# Altium PCB PCB1.PcbDoc (part 2 of 2)
Units mm, origin at the board's own origin, x right, y up, seen from the top; angles counter-clockwise.
Board outline 115 x 100 mm, 4 copper layers (Top Layer, GROUND, POWER, Bottom Layer), stack 1.369 mm thick; 124 components, 82 nets, 440 pads, 134 vias.
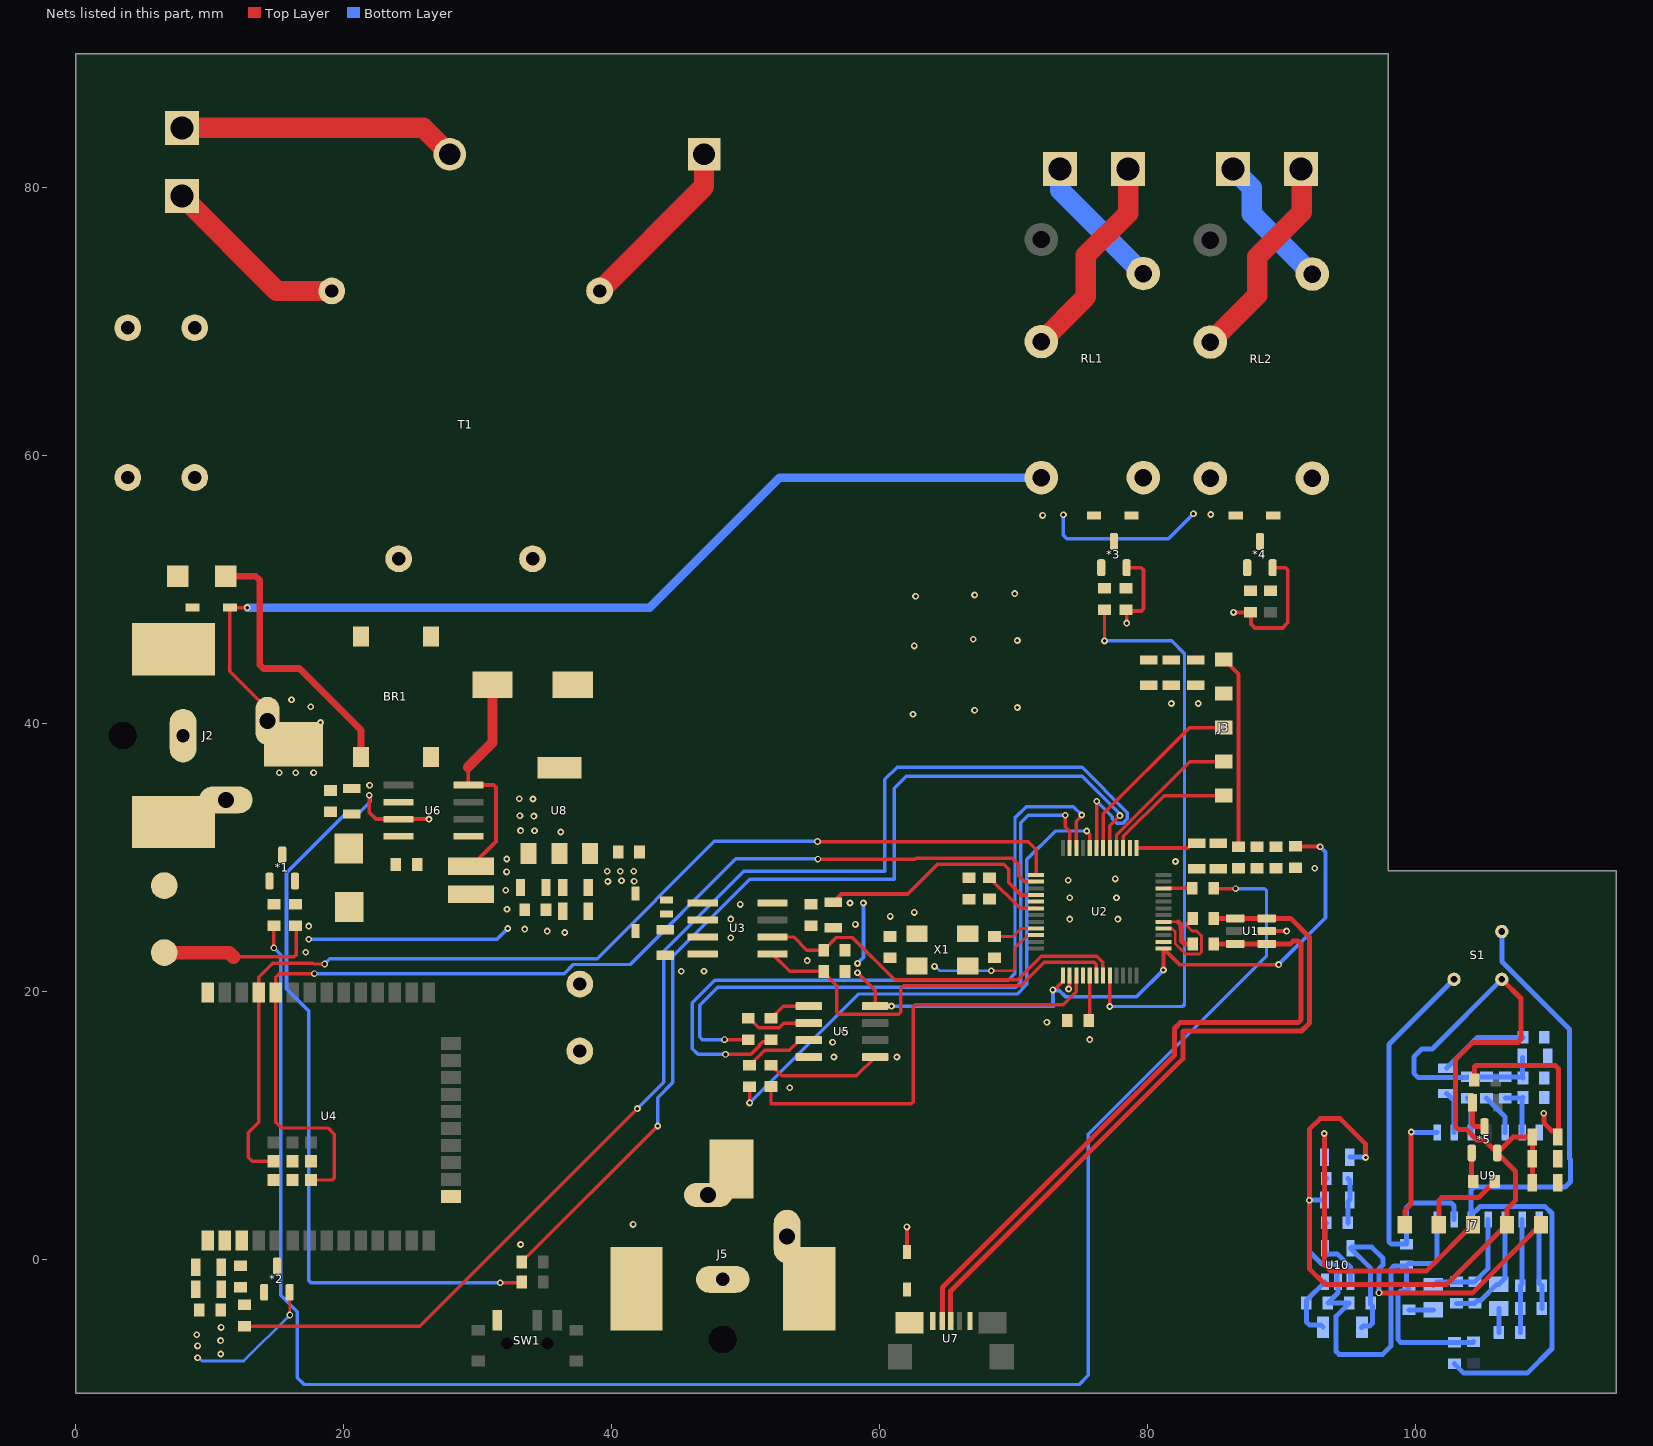
[diagram p4: the nets of this part, all layers, seen from the top]

## Part data (continued)
Y1: library part "CRYSTAL 32.7680KHZ 12.5PF SMD", "ABRACON - ABS05-32.768KHZ-T - Crystal, 32.768 kHz, SMD, 1.6mm x 1mm, 12.5 pF, 20 ppm, ABS05 Series", Case/Package=SMD/SMT, ESR (Equivalent Series Resistance)=90kR, Frequency=32.768kHz, Frequency Tolerance=20ppm, Load Capacitance=12.5pF, Manufacturer=Abracon, Max Operating Temperature=85°C, Min Operating Temperature=-40°C, Operating Frequency="32.768 kHz", Package Quantity=3000, Supplier Part Number 1=535-11899-2-ND, Category=Crystals, ComponentLink1Description=https://datasheet.ciiva.com/23810/abs05-23810480.pdf?src-supplier=Newark, ComponentLink1URL=https://datasheet.ciiva.com/23810/abs05-23810480.pdf?src-supplier=Newark, ComponentLink2Description=https://datasheet.ciiva.com/6728/abs05-6728949.pdf?src-supplier=Digi-Key, ComponentLink2URL=https://datasheet.ciiva.com/6728/abs05-6728949.pdf?src-supplier=Digi-Key, ComponentLink3Description=https://datasheet.ciiva.com/6728/abs05-6728950.pdf?src-supplier=Digi-Key, ComponentLink3URL=https://datasheet.ciiva.com/6728/abs05-6728950.pdf?src-supplier=Digi-Key, ComponentLink4Description=https://datasheet.ciiva.com/16411/abs05-16411149.pdf?src-supplier=Future+Electronics, ComponentLink4URL=https://datasheet.ciiva.com/16411/abs05-16411149.pdf?src-supplier=Future+Electronics, Depth=1mm, Height=0.02inch, Lead Free="Lead Free", Length=1.6mm, Manufacturer Part Number=ABS05-32.768KHZ-T, Mount="Surface Mount", Number of Pins=2, Packaging="Tape and Reel", Pricing 1="3000=0,91392 (USD)", Radiation Hardening=No, REACH SVHC="No SVHC", RoHS=Yes, RoHS Compliant=Yes, Series=ABS05, Series Resistance=90kR, Stock 1=461325, Supplier 1=Digi-Key, Termination=SMD/SMT, Tolerance=20ppm, Width=0.039inch

## Via types
v1: diameter 0.508, hole 0.254, Top Layer to Bottom Layer, 114 vias
v2: diameter 0.5, hole 0.3, POWER to Bottom Layer, 9 vias
v3: diameter 0.5, hole 0.3, Top Layer to POWER, 9 vias
v4: diameter 0.5, hole 0.3, Top Layer to Bottom Layer, 2 vias

## Nets (pads, with @x,y where several pads share a name; then routed paths per layer and width w, separated by ;. In a path a pad name is that pad's centre, name@x,y a point inside that pad or via, vN(x,y) a via of type N, cw(c..) or ccw(c..) an arc to the next point about the centre after c; other vN are vias at no path point)
AC_LİNE_1: J1.1 R14.1 | length 20.8
  Top Layer w1.524: J1.1@7.913,84.475 25.945,84.475 R14.1@27.92,82.5
AC_LİNE_2: J1.2 T1.5 | length 14.1
  Top Layer w1.524: J1.2@7.913,79.395 15.008,72.3 v2(19.1,72.3)
  other v3: 19.1,72.3
Buzzer: R7.2 R12.1 | length 139.8
  Top Layer w0.254: v3(14.775,23.25) 14.775,24.875 R12.1@14.8,24.9 ; R7.2@84.95,27.7 84.975,27.675 v3(86.6,27.675)
  Bottom Layer w0.254: v3(14.775,23.25) 15.285,22.739 15.285,-2.691 16.525,-3.93 16.525,-8.836 17.039,-9.35 74.9,-9.35 75.6,-8.65 75.6,9.35 88.9,22.65 88.9,27.526 88.751,27.675 v3(86.6,27.675)
  other v2: 14.775,23.25 86.6,27.675
"DC 3.3V": C5.2 C6.2 C8.2 C9.2 C10.2 C11.2 C12.2 C13.2 C14.2 C15.2 C16.2 C17.2 C25.2 C26.2 C27.2 C30.2 C31.2 D1.1 J3.1 R8.2 R9.2 R11.1 U2.9 U2.24 U2.36 U2.48 U3.8 U4.2 U5.8 U8.3 | length 92.9
  Top Layer w0.279: C6.2@56.539,26.66 57.159,27.279 62.109,27.279 64.323,29.493 69.274,29.493 69.646,29.121 69.646,28.127 70.572,27.2 U2.9@71.7,27.2 ; v1(58.36,21.4) 59.675,20.085 U5.8@59.675,18.905 59.677,18.902 60.898,18.902 v1(60.9,18.9) ; v1(72.951,20.112) 72.995,20.155 73.105,20.155 73.69,20.74 73.69,21.19 U2.48@73.7,21.2 ; U2.24@79.2,30.7 83.026,30.7 83.166,30.84 83.49,30.84 C8.2@83.7,31.05 ; v1(81.2,21.6) U2.36@81.2,23.2 82.4,22 v1(89.8,22) ; J3.1@85.71,44.78 86.8,43.69 C10.2@86.8,30.8 ; C13.2@91.058,30.827 92.873,30.827 v1(92.9,30.8)
  Bottom Layer w0.279: v1(58.36,22.09) 58.36,22.108 58.8,22.548 v1(58.8,26.6) ; v1(60.9,18.9) 73,18.9 72.951,18.949 v1(72.951,20.112) 72.995,20.068 73.424,20.068 73.882,19.609 79.209,19.609 v1(81.2,21.6) ; v1(89.8,22) 93.3,25.5 93.3,30.4 v1(92.9,30.8)
  other v1: 10.82,-7.07 10.8,-6.07 10.84,-5.09 57.8,26.6 39.72,28.21 41.68,28.23 40.74,28.27 39.67,28.97 40.65,28.97 41.65,28.97
"DC 3.3V_S": C33.2 C34.2 C38.2 C39.2 C40.2 C44.2 J7.1 R20.2 R21.2 R28.1 RT1.1 U9.14 U10.5 | length 41.7
  Top Layer w0.373: v4(97.3,-2.5) 104.29,-2.5 J7.1@109.38,2.59 ; R28.1@104.425,13.37 104.425,14.381 104.496,14.452 110.481,14.452 110.7,14.234 110.7,9.182 C38.2@110.65,9.132 110.65,9.432 110.487,9.595 110.187,9.595 109.6,10.182 v1(109.6,10.9)
  Bottom Layer w0.373: U10.5@95.175,0.825 96.675,-0.675 C44.2@96.675,-3.275 96.675,-3.364 96.8,-3.489 96.8,-4.781 96.581,-5 96.1,-5 RT1.1@96,-5.1 ; U10.5@95.283,0.9 96.766,0.9 97.6,0.066 97.6,-0.419 97.302,-0.717 97.302,-2.498 v4(97.3,-2.5)
"DC 5V": BZ1.2 C18.2 C24.2 C28.2 C29.2 D4.1 J5.1 L1.2 U6.4 U8.1 | length 46.4
  Top Layer w0.279: 11.77,22.57 11.79,22.59 16.296,22.59 16.46,22.754 16.46,24.84 C18.2@16.4,24.9 ; 29.27,36.73 29.3,36.7 U6.4@29.3,35.405 31.196,35.405 31.36,35.241 31.36,31.2 29.51,29.35 L1.2@29.5,29.35 ; v1@62.03,2.44 v1(62.05,2.42) D4.1@62.05,0.553
  Top Layer w0.762: 29.27,36.73 31.1,38.56 C24.2@31.1,42.9
  Top Layer w1.016: BZ1.2@6.6,22.9 11.44,22.9 11.77,22.57
  Bottom Layer w0.279: v1(17.39,23.9) 31.45,23.9 v1(32.25,24.7)
  other v1: 17.16,22.92 33.52,24.65 17.39,24.88 32.19,26.13 32.1,27.56 32.16,28.92 32.17,29.89 34.24,31.99 33.2,32.01 34.2,33.09 33.15,33.12 34.13,34.37 33.11,34.39
"DC 12V": C22.2 C23.2 D2.2 D3.2 D5.2 J2.1 R3.2 RL1.5 RL2.5 U6.7 | length 148.5
  Top Layer w0.254: v1(12.79,48.66) 11.511,48.66 D5.2@11.497,48.675 11.497,43.903 14.3,41.1 J2.1@14.3,40.2
  Top Layer w0.279: C22.2@20.6,35.15 C22.2@20.64,35.19 ; v1(21.91,34.64) 21.905,34.635 21.905,33.36 22.4,32.865 U6.7@24.1,32.865 v1(26.365,32.865) v1@26.4,32.9 ; v1(31.69,-1.75) 33.25,-1.75 R3.2@33.3,-1.7
  Bottom Layer w0.279: v1(21.91,34.64) 21.954,34.596 21.954,34.181 21.977,34.157 21.004,33.184 20.054,33.184 15.73,28.86 15.73,20.2 17.39,18.54 17.39,-1.586 17.554,-1.75 v1(31.69,-1.75) ; v1(73.73,55.59) 73.73,54.054 73.984,53.8 81.57,53.8 v1(83.44,55.67)
  Bottom Layer w0.635: v1(12.79,48.66) 42.849,48.66 52.549,58.36 RL1.5@72.08,58.36
  other v1: 21.93,35.4 15.18,36.33 16.41,36.32 17.75,36.32 18.26,40.08 17.53,41.25 16.1,41.77 72.18,55.54 84.74,55.61
EN_OUT: *2.C R11.2 U4.3
GND: *1.E *2.E *3.E *4.E BR1.4 C1.1 C2.1 C3.1 C4.2 C5.1 C6.1 C7.1 C8.1 C9.1 C10.1 C11.1 C12.1 C13.1 C14.1 C15.1 C16.1 C17.1 C18.1 C19.1 C20.1 C22.1 C23.1 C24.1 C25.1 C26.1 C27.1 C28.1 C29.1 C30.1 C31.1 DZ1.A J2.2 J2.3 J3.2 J5.2 J5.3 R5.1 R6.1 R17.1 R18.1 SW1.3 U1.2 U2.8 U2.23 U2.35 U2.47 U3.4 U4.1 U4.15 U4.38 U5.4 U6.6 U7.5 U8.2 X1.2 X1.4 | length 29.6
  Top Layer w0.203: *2.E@15.955,-2.46 15.962,-2.468 15.962,-4.152 v3(15.97,-4.16)
  Top Layer w0.279: v1(74.119,20.181) 74.119,20.243 74.19,20.313 74.19,21.19 U2.47@74.2,21.2 ; R17.1@78.4,48.5 R17.1@78.46,48.44 ; *3.E@78.455,51.64 79.55,51.64 79.72,51.47 79.72,48.574 79.556,48.41 78.49,48.41 R17.1@78.46,48.44 ; v1(78.46,47.5) R17.1@78.46,48.44 ; v1@86.41,48.28 v1(86.43,48.3) R18.1@87.7,48.3 87.74,48.26 87.74,47.43 88.03,47.14 90.09,47.14 90.49,47.54 90.49,51.47 90.32,51.64 *4.E@89.355,51.64 ; U1.2@88.912,24.503 v1(90.397,24.503) v1@90.4,24.5
  Bottom Layer w0.203: v1(9.09,-7.36) 9.172,-7.36 9.416,-7.603 12.527,-7.603 v3(15.97,-4.16)
  other v1: 9.09,-6.47 9.03,-5.64 33.2,1.1 41.6,2.6 53.3,12.8 56.6,15.1 61.3,15.1 56.5,16.2 75.7,16.4 57.4,17 72.5,17.7 45.2,21.5 46.9,21.5 54.6,22.3 48.9,24 36.5,24.4 35.2,24.5 58.2,25 48.9,25.4 74.2,25.4 77.8,25.4 60.8,25.6 62.6,25.9 49.6,26.5 74.2,27 77.7,27 74.1,28.3 77.6,28.4 92.5,29.2 82.1,29.7 36.2,31.9 62.5,40.7 67.1,41 70.3,41.2 81.8,41.5 83.8,41.5 62.6,45.8 70.3,46.2 67,46.3 62.7,49.5 67.1,49.6 70.1,49.7
  other v2: 15.97,-4.16
GND_S: *5.E C33.1 C34.1 C36.1 C38.1 C39.1 C40.1 C42.1 C43.1 C44.1 C45.1 C46.1 J7.2 R24.1 R25.1 R26.2 R27.1 R31.1 S1.3 U9.7 U10.2 | length 132.3
  Top Layer w0.373: v1(96.3,7.6) 96.3,8.6 94.4,10.5 92.9,10.5 92.1,9.7 v1(92.1,4.4) 92.1,-0.7 93.286,-1.886 102.365,-1.886 J7.2@106.84,2.59 106.84,3.74 107.5,4.4 107.5,6.56 *5.E@106.12,7.94 ; S1.3@106.471,20.9 107.9,19.471 107.9,16.419 107.681,16.2 104.3,16.2 103,14.9 103,9.919 103.219,9.7 103.821,9.7 104.621,8.9 105.16,8.9 *5.E@106.12,7.94 ; C40.1@108.75,5.7 C39.1@108.75,7.5 C38.1@108.75,9.132 107.312,9.132 *5.E@106.12,7.94
  Bottom Layer w0.373: C45.1@93.225,4.425 92.125,4.425 v1(92.1,4.4) 92.1,0.585 93.032,-0.347 93.934,-0.347 94.153,-0.566 94.153,-1.613 U10.2@94.225,-1.685 94.225,-2.525 R31.1@93.475,-3.275 C44.1@95.075,-3.275 94.1,-4.25 94.1,-6.881 94.319,-7.1 97.569,-7.1 98.2,-6.469 98.2,-0.719 98.419,-0.5 99.325,-0.5 C42.1@99.35,-0.475 ; C46.1@95.125,7.625 96.275,7.625 v1(96.3,7.6) ; U9.7@101.64,2.975 101.64,-0.081 101.421,-0.3 99.525,-0.3 C42.1@99.35,-0.475 ; R27.1@104.35,-6.15 104.3,-6.2 C43.1@102.925,-6.2 98.919,-6.2 98.7,-5.981 98.7,-2.601 98.919,-2.382 99.343,-2.382 R26.2@99.55,-2.175 99.35,-1.975 C42.1@99.35,-0.475 ; S1.3@106.471,20.9 101.271,15.7 100.5,15.7 99.9,15.1 99.9,13.9 100.239,13.561 103.825,13.561 R25.1@103.889,13.625 R24.1@105.324,13.625 C36.1@106.725,13.625 107.969,13.625 C33.1@108.006,13.588 ; C34.1@108.006,15.075 C33.1@108.006,13.588 ; C33.1@108.05,13.544 C33.1@108.006,13.588
LED_DRİVER: J3.4 U2.21 | length 11.3
  Top Layer w0.254: U2.21@77.7,30.7 77.7,31.681 83.179,37.16 J3.4@85.71,37.16
Net*1_B: *1.B R12.2
Net*1_C: *1.C BZ1.1
Net*2_B: *2.B R13.2
Net*3_B: *3.B R15.2 R17.2
Net*3_C: *3.C D2.1 RL1.4
Net*4_B: *4.B R16.2 R18.2
Net*4_C: *4.C D3.1 RL2.4
Net*5_B: *5.B R32.2 | length 2.2
  Top Layer w0.373: *5.B@104.22,7.94 104.22,5.905 R32.2@104.325,5.8
Net*5_C: *5.C LED2.2 | length 2.6
  Top Layer w0.373: LED2.2@104.275,11.7 104.275,10.096 104.472,9.9 *5.C@105.17,9.9
NetBR1_1: BR1.1 T1.9
NetBR1_2: BR1.2 T1.7
NetBR1_3: BR1.3 F2.2 | length 20.6
  Top Layer w0.508: F2.2@11.2,51 13.427,51 13.725,50.702 13.725,44.398 14.023,44.1 16.7,44.1 21.295,39.505 BR1.3@21.295,37.5
NetC1_2: C1.2 U2.3 X1.3 | length 9.8
  Top Layer w0.203: v1(68.35,21.54) 69.981,21.54 70.1,21.659 70.1,23.245 71.006,24.152 71.652,24.152 U2.3@71.7,24.2
  Bottom Layer w0.203: v1(64.11,21.87) 64.192,21.87 64.522,21.54 v1(68.35,21.54)
NetC2_2: C2.2 U2.4 X1.1 | length 3.3
  Top Layer w0.203: C2.2@68.6,24.1 69.967,24.1 70.567,24.7 U2.4@71.7,24.7
NetC4_1: C4.1 C7.2 D1.2 U3.3
NetC19_1: C19.2 C20.2 D5.1 F2.1
NetC21_1: C21.1 DZ1.C L1.1 U6.8
NetC21_2: C21.2 U6.1
NetC32_1: C32.1 R19.1 R22.2 U9.2 | length 8.5
  Bottom Layer w0.373: R22.2@107.85,-5.475 C32.1@107.85,-3.675 R19.1@107.85,-1.975 107.99,-1.835 U9.2@107.99,2.975
NetC32_2: C32.2 R19.2 U9.1 | length 6.7
  Bottom Layer w0.373: U9.1@109.26,2.975 109.26,-1.785 R19.2@109.45,-1.975 C32.2@109.45,-3.675
NetC33_2: 
NetC35_1: C35.1 C37.2 R23.2 U9.3 | length 8.8
  Bottom Layer w0.373: C37.2@103.099,-3.285 104.44,-3.285 104.657,-3.068 104.907,-3.068 106.1,-1.875 C35.1@106.25,-1.875 106.72,-1.405 U9.3@106.72,2.975
NetC35_2: C35.2 R22.1 | length 1.8
  Bottom Layer w0.373: R22.1@106.25,-5.475 C35.2@106.25,-3.675
NetC36_2: C36.2 R21.1 U9.13 | length 3.9
  Bottom Layer w0.373: C36.2@106.725,12.025 R21.1@108,12.025 ; U9.13@107.99,9.475 107.99,12.015 R21.1@108,12.025 ; R21.1@108.05,12.075 R21.1@108,12.025
NetC37_1: C37.1 C41.1 R23.1 U9.4 | length 8.3
  Bottom Layer w0.373: C41.1@101.35,-1.975 101.64,-1.685 C37.1@103.099,-1.685 104.44,-1.685 R23.1@104.45,-1.675 105.45,-0.675 U9.4@105.45,2.975
NetC41_2: C41.2 R26.1 | length 1.8
  Bottom Layer w0.373: R26.1@99.55,-3.775 C41.2@101.35,-3.775
NetC42_2: C42.2 S1.1 U9.6 | length 30.5
  Bottom Layer w0.373: S1.1@102.9,20.9 102.896,20.9 98.029,16.034 98.029,1.314 98.219,1.125 C42.2@99.35,1.125 99.35,3.85 99.7,4.2 102.691,4.2 102.91,3.981 U9.6@102.91,2.975
NetC43_2: C43.2 S1.2 U9.5 | length 55.6
  Bottom Layer w0.373: C43.2@102.925,-7.8 103.633,-8.508 108.358,-8.508 110.208,-6.658 110.208,3.422 109.701,3.929 104.834,3.929 U9.5@104.18,3.275 ; U9.5@104.18,2.975 U9.5@104.18,3.275 ; S1.2@106.471,24.47 106.471,22.23 111.539,17.163 111.539,7.518 111.6,7.456 111.6,5.8 111.2,5.4 104.399,5.4 104.18,5.181 U9.5@104.18,3.275
NetC45_2: C45.2 R29.2 R30.1 | length 3.4
  Bottom Layer w0.373: R29.2@94.975,2.725 94.975,4.275 C45.2@95.125,4.425 95.125,5.875 R30.1@94.975,6.025
NetD4_2: D4.2 U7.1
NetJ3_5: J3.5 U2.22 | length 9.6
  Top Layer w0.254: U2.22@78.2,30.7 78.2,31.57 81.25,34.62 J3.5@85.71,34.62
NetJ4_1: J4.1 RL1.2 | length 15.6
  Top Layer w1.524: RL1.2@72.08,68.52 75.408,71.848 75.408,74.958 78.565,78.115 J4.1@78.565,81.407
NetJ4_2: J4.2 RL1.1 | length 10.4
  Bottom Layer w1.524: J4.2@73.485,81.407 73.485,79.815 RL1.1@79.7,73.6
NetJ6_1: J6.1 RL2.2 | length 15.8
  Top Layer w1.524: RL2.2@84.7,68.48 88.206,71.986 88.206,74.856 91.525,78.175 91.525,81.362 J6.1@91.48,81.407
NetJ6_2: J6.2 RL2.1 | length 10.3
  Bottom Layer w1.524: J6.2@86.4,81.407 87.8,80.007 87.8,78.08 RL2.1@92.32,73.56
NetJ7_4: J7.4 R32.1 | length 6.5
  Top Layer w0.373: J7.4@101.76,2.59 101.76,4.381 101.979,4.6 104.725,4.6 R32.1@105.925,5.8
NetJ7_5: J7.5 U9.8 | length 9.1
  Top Layer w0.373: J7.5@99.22,2.59 99.22,3.621 99.7,4.101 v1(99.7,9.5)
  Bottom Layer w0.373: v1(99.7,9.5) 99.725,9.475 U9.8@101.64,9.475
NetLED1_1: LED1.1 R20.1 | length 6.7
  Bottom Layer w0.373: LED1.1@102.35,14.275 104.65,16.575 R20.1@108.05,16.575
NetLED1_2: LED1.2 U9.9 | length 3.1
  Bottom Layer w0.373: LED1.2@102.35,12.375 102.91,11.815 U9.9@102.91,9.475
NetR1_1: R1.1 U2.32 | length 3.6
  Top Layer w0.203: U2.32@81.2,25.2 82.181,25.2 82.206,25.175 82.325,25.175
  Top Layer w0.373: 82.325,25.175 82.512,24.988 82.512,24.692 82.545,24.659 82.545,23.769 82.764,23.55 R1.1@83.375,23.55
NetR2_1: R2.1 U2.33 | length 7.6
  Top Layer w0.203: U2.33@81.2,24.7 81.845,24.7 82.079,24.466 82.079,23.574 82.865,22.788 83.884,22.788 84.048,22.952 84.048,24.148 83.68,24.517 83.347,24.517 82.978,24.885 82.978,25.053 R2.1@83.375,25.45 R2.1@83.375,25.475
NetR6_2: R6.2 U2.44 | length 3.4
  Top Layer w0.254: R6.2@75.625,17.825 75.7,17.9 U2.44@75.7,21.2
NetR7_1: R7.1 U2.27 | length 2.1
  Top Layer w0.279: U2.27@81.2,27.7 R7.1@83.35,27.7
NetR10_2: R10.2 U5.5 | length 8.7
  Top Layer w0.254: R10.2@51.9,14.5 52.7,13.7 58.28,13.7 U5.5@59.675,15.095
NetR14_2: R14.2 T1.1 | length 13.4
  Top Layer w1.524: T1.1@39.1,72.3 46.9,80.1 R14.2@46.9,82.5
NetR15_1: R15.1 U2.41 | length 42.9
  Top Layer w0.254: v1(76.8,46.175) R15.1@76.8,48.5 ; v1(77.2,18.875) U2.41@77.2,21.2
  Bottom Layer w0.254: v1(76.8,46.175) 81.825,46.175 82.775,45.225 82.775,19.024 82.626,18.875 v1(77.2,18.875)
NetR24_2: R24.2 U9.12 | length 3.1
  Bottom Layer w0.373: R24.2@105.324,12.025 106.72,10.629 U9.12@106.72,9.475
NetR25_2: R25.2 U9.10 | length 2.7
  Bottom Layer w0.373: R25.2@103.889,12.025 104.18,11.734 U9.10@104.18,9.475
NetR29_1: R29.1 U10.1 U10.4 | length 5.7
  Bottom Layer w0.373: R29.1@93.375,2.725 93.275,2.625 93.275,0.515 93.383,0.407 94.178,0.407 95.175,-0.59 U10.1@95.175,-1.685
NetR31_2: R31.2 RT1.2 U10.3 | length 5
  Bottom Layer w0.373: RT1.2@93.125,-5.075 92.95,-4.9 92.094,-4.9 91.875,-4.681 R31.2@91.875,-3.275 91.875,-3.085 U10.3@93.275,-1.685
NetR33_2: R33.2 U5.2 | length 5
  Top Layer w0.254: R33.2@50.2,18 50.289,18 50.987,17.302 52.509,17.302 52.842,17.635 U5.2@54.725,17.635
NetR34_2: R34.2 U5.1 | length 3.2
  Top Layer w0.254: R34.2@51.9,18 52.805,18.905 U5.1@54.725,18.905
NetR35_2: R35.2 U5.3 | length 5.2
  Top Layer w0.254: R35.2@50.3,14.475 51.425,15.6 53.27,15.6 54.035,16.365 U5.3@54.725,16.365
NetU2_45: U2.45
NetU3_1: U3.1 Y1.1
NetU3_2: U3.2 Y1.2
NRST: C3.2 R5.2 U2.7 | length 4.5
  Top Layer w0.254: C3.2@68.2,28.5 70.5,26.2 U2.7@71.7,26.2
RTC_SCL: R8.1 U2.42 U3.6 | length 28.7
  Top Layer w0.254: U3.6@52,24.065 53.585,24.065 54.575,23.075 R8.1@55.825,23.075 56.775,24.025 57.968,24.025 61.133,20.86 70.31,20.86 72.063,22.613 76.23,22.613 76.677,22.166 76.677,21.223 U2.42@76.7,21.2
RTC_SDA: R9.1 U2.43 U3.5 | length 30.9
  Top Layer w0.254: U3.5@52,22.795 53.295,21.5 R9.1@55.825,21.5 55.825,21.411 56.808,20.428 56.808,18.429 56.957,18.28 61.451,18.28 61.6,18.429 61.6,20.221 61.807,20.428 70.553,20.428 72.306,22.181 76.051,22.181 76.2,22.032 U2.43@76.2,21.2
"SENSOR ON OFF": R4.1 U2.20 | length 74.5
  Top Layer w0.254: R4.1@33.3,-0.2 v1(43.45,9.95) ; U2.20@77.2,30.7 77.2,32.375 v1(77.95,33.125)
  Bottom Layer w0.254: v1(43.45,9.95) 43.45,12.075 44.575,13.2 44.575,22.625 50.325,28.375 61.1,28.375 61.1,35.175 61.996,36.071 75.144,36.071 77.825,33.39 77.825,33.319 77.95,33.194 v1(77.95,33.125)
"TEMP ADC": C46.2 J7.3 R30.2 | length 26
  Top Layer w0.373: v1(93.212,9.387) 93.212,-0.412 93.686,-0.886 100.825,-0.886 J7.3@104.3,2.59
  Bottom Layer w0.373: v1@93.2,9.4 v1(93.212,9.387) 93.225,9.375 C46.2@93.225,7.625 93.225,6.175 R30.2@93.375,6.025
TEMP_IN_CS: R33.1 U2.14 | length 48.8
  Top Layer w0.254: v3(48.425,16.4) R33.1@50.2,16.4 ; v1(73.875,33.15) 73.875,32.29 74.2,31.965 U2.14@74.2,30.7
  Bottom Layer w0.254: v3(48.425,16.4) 46.775,16.4 46.575,16.6 46.575,18.975 47.925,20.325 70.189,20.325 70.55,20.686 70.55,32.6 71.1,33.15 v1(73.875,33.15)
  other v2: 48.425,16.4
TEMP_IN_OT: R10.1 U2.46 | length 32.9
  Top Layer w0.254: R10.1@51.9,12.9 51.9,11.625 62.375,11.625 62.525,11.775 62.525,18.851 62.674,19 73.729,19 74.7,19.971 U2.46@74.7,21.2
TEMP_IN_SCLK: R34.1 U2.15 | length 54.8
  Top Layer w0.254: v3(48.5,15.3) 50.407,15.3 51.041,15.934 51.041,16.018 51.274,16.25 51.75,16.25 R34.1@51.9,16.4 ; U2.15@74.7,30.7 74.7,32.706 75.1,33.106 v1(75.1,33.175)
  Bottom Layer w0.254: v3(48.5,15.3) 46.45,15.3 46.025,15.725 46.025,19.15 47.716,20.841 69.616,20.841 70.118,21.343 70.118,32.968 70.95,33.8 74.475,33.8 v1(75.1,33.175)
  other v2: 48.5,15.3
TEMP_IN_SIO: R35.1 U2.17 | length 41.6
  Top Layer w0.254: v1(50.3,11.675) R35.1@50.3,12.875 ; v1(75.475,31.975) 75.7,31.75 U2.17@75.7,30.7
  Bottom Layer w0.254: v1(50.3,11.675) 58.429,19.804 70.279,19.804 71,20.525 71,29.85 73.125,31.975 v1(75.475,31.975)
TEMPERATURE_ADC: J3.3 U2.19 | length 14.2
  Top Layer w0.254: U2.19@76.7,30.7 76.7,33.253 83.147,39.7 J3.3@85.71,39.7
USB_N: R1.2 U1.1 U1.6 U7.2@64.679,-4.611 | length 51.1
  Top Layer w0.373: U7.2@64.679,-4.611 64.69,-4.599 64.69,-2.108 72.899,6.101 74.09,7.291 78.799,12.001 79.199,12.401 79.724,12.926 79.899,13.101 80.249,13.451 80.299,13.501 82.023,15.224 82.023,17.235 82.456,17.669 91.256,17.669 91.475,17.887 91.475,23.528 91.256,23.747 90.891,23.747 90.697,23.553 U1.1@88.912,23.553 U1.6@86.562,23.553 86.56,23.552 84.977,23.552 R1.2@84.975,23.55
USB_P: R2.2 U1.3 U1.4 U7.3@65.329,-4.611 | length 52.6
  Top Layer w0.373: U7.3@65.329,-4.611 65.317,-4.599 65.317,-2.368 82.65,14.965 82.65,16.975 82.716,17.041 91.516,17.041 92.102,17.627 92.102,24.048 90.697,25.453 U1.3@88.912,25.453 U1.4@86.562,25.453 86.56,25.452 84.977,25.452 R2.2@84.975,25.45
Wİ-Fİ_EN: R13.1 U2.18 | length 101.5
  Top Layer w0.254: R13.1@12.6,-5 25.675,-5 v1(41.925,11.25) ; U2.18@76.2,30.7 76.212,30.713 76.212,34.187 v1(76.225,34.2)
  Bottom Layer w0.254: v1(41.925,11.25) 43.9,13.225 43.9,23 49.875,28.975 60.401,28.975 60.401,35.826 61.316,36.741 75.124,36.741 78.509,33.356 78.509,32.894 78.181,32.566 77.719,32.566 77.391,32.894 77.391,33.034 v1(76.225,34.2)
Wİ-Fİ_RXD: U2.11 U4.34 | length 82.3
  Top Layer w0.254: U4.34@17.56,5.92 19.126,5.92 19.275,6.069 19.275,9.35 18.825,9.8 15.365,9.8 14.92,10.245 U4.34@14.92,19.925 14.92,21.056 15.189,21.325 v3(17.8,21.325) ; v4(55.4,29.875) 62.662,29.875 62.725,29.938 69.921,29.938 70.403,29.456 70.403,28.645 70.848,28.2 U2.11@71.7,28.2
  Bottom Layer w0.254: v3(17.8,21.325) 36.447,21.325 37.133,22.011 41.386,22.011 49.275,29.9 55.375,29.9 v4(55.4,29.875)
  other v2: 17.8,21.325
Wİ-Fİ_TXD: U2.12 U4.35 | length 80.2
  Top Layer w0.254: U4.35@14.76,7.32 13.18,7.32 12.875,7.625 12.875,9.45 13.65,10.225 U4.35@13.65,19.925 13.65,21.056 14.694,22.1 17.7,22.1 17.75,22.05 v2(18.575,22.05) ; v2(55.375,31.2) 55.4,31.175 71.108,31.175 71.7,30.583 U2.12@71.7,28.7
  Bottom Layer w0.254: v2(18.575,22.05) 18.968,22.443 38.918,22.443 47.675,31.2 v2(55.375,31.2)
  other v3: 18.575,22.05 55.375,31.2
pads on no net: F1.1 F1.2 J2. J5. LED2.1 R3.1 R4.2 R16.1 R27.2 R28.2 RL1.3 RL2.3 SW1. SW1.1 SW1.2 U1.5 U2.1 U2.2 U2.5 U2.6 U2.10 U2.13 U2.16 U2.25 U2.26 U2.28 U2.29 U2.30 U2.31 U2.34 U2.37 U2.38 U2.39 U2.40 U3.7 U4.4 U4.5 U4.6 U4.7 U4.8 U4.9 U4.10 U4.11 U4.12 U4.13 U4.14 U4.16 U4.17 U4.18 U4.19 U4.20 U4.21 U4.22 U4.23 U4.24 U4.25 U4.26 U4.27 U4.28 U4.29 U4.30 U4.31 U4.32 U4.33 U4.36 U4.37 U5.6 U5.7 U6.2 U6.3 U6.5 U7.2@68.429,-4.736 U7.3@61.529,-7.286 U7.4 U7.6 U9.11
copper on no net: | length 0.5
  Top Layer w0.279: 71.169,27.7 71.7,27.7
  other v1: 107.9,7.1

## Polygon pours and split planes (outlines as drawn)
GND on Top Layer "GND_L01_P025" (solid, remove dead copper, pour order 25): 1.5,72.35 1.5,21.7 2.9,20.3 27.2,20.3 27.2,-7.1 30.1,-9 96.5,-9 96.5,53.1 93.2,56.4 48.2,56.4 46.3,54.5 46.3,48.2 6.5,48.2 5.9,48.8 5.9,72.3 5,73.2 2.633,73.2
"DC 3.3V_S" on Top Layer "DC_3.3V_S_L01_P024" (solid, pour order 24): 110.2,9.9 109.6,9.3 109.6,3.8 108.4,3.8 108.1,3.5 108.1,2.3 109,1.4 110.2,1.4 110.6,1.8 110.6,3.3 111.7,4.4 111.7,9.9
"DC 5V" on Top Layer "DC_5V_L01_P010" (solid, pour order 10): 31.7,23.9 31.7,28.19 27.91,28.19 27.24,28.86 27.24,30.07 27.84,30.67 32.39,30.67 32.39,35.08 35.07,35.08 35.07,29.88 34.01,28.82 34.3,28.53 34.3,24.13 34.3,23.9
NetC2_2 on Top Layer "NETC2_2_L01_P008" (solid, pour order 8): 65.12,23.14 69.55,23.14 69.55,25.04 69.14,25.45 65.12,25.45
NetC21_1 on Top Layer "NETC21_1_L01_P006" (solid, pour order 6): 22.35,32.325 22.35,30.95 23.05,30.25 23.05,27.7 19.15,27.7 18.6,27.15 18.6,25.425 19.325,24.7 21.85,24.7 22.975,25.825 22.975,26.925 27.225,26.925 27.25,26.9 27.25,26.525 28.075,25.7 30.825,25.7 31.725,26.6 31.725,27.85 31.35,28.225 24.725,28.225 24.375,28.575 24.375,30.15 24.45,30.225 24.45,31 24.475,31.025 25.075,31.025 25.6,31.55 25.6,32.35 23.175,32.35
GND_S on Top Layer "GND_S_L01_P028" (solid, pour order 28): 97.1,27.6 97.9,28.4 113.5,28.4 114.4,27.5 114.4,-8.3 113.2,-9.5 98.2,-9.5 96.5,-7.8 96.5,27 97.9,28.4
"DC 12V" on Top Layer "DC_12V_L01_P016" (solid, pour order 16): 83.495,60.245 82.815,59.565 82.815,54.665 85.945,54.665 87.545,54.665 87.91,55.03 87.91,56.09 87.705,56.295 86.49,56.295 86.49,59.43 85.675,60.245
"DC 12V" on Top Layer "DC_12V_L01_P015" (solid, pour order 15): 71.04,60.71 69.77,59.44 69.77,57.32 71.3,55.79 71.3,54.68 75.5,54.68 76.7,54.68 77.44,55.42 77.44,55.7 76.42,56.72 75.03,56.72 74.1,57.65 74.1,59.74 73.13,60.71
NetC19_1 on Top Layer "NETC19_1_L01_P014" (solid, pour order 14): 8.07,71.01 7.29,70.23 7.29,53.04 6.23,51.98 6.23,49.61 7.89,47.95 9.81,47.95 9.81,49.13 9.81,49.39 9.09,49.39 9.09,55.96 10.31,57.18 10.28,57.21 10.28,70.43 9.7,71.01
GND on Top Layer "GND_L01_P007" (solid, pour order 7): 10.47,2.68 10.47,0.77 10.05,0.065 9.945,-8.685 8.21,-8.685 8.21,-7.8 8.21,-2.65 7.83,-2.27 7.83,0.18 8.84,1.19 8.84,2.68
Net*1_C on Top Layer "NET*1_C_L01_P003" (solid, pour order 3): 8.1,29.4 8.8,30.1 14.55,30.1 14.55,30.9 15.125,31.475 15.65,31.475 16.225,30.9 16.225,29.75 16.225,29.275 10.375,29.275 7.475,26.375 5.075,26.375 5.025,28.55 5.875,29.4
NetBR1_1 on Top Layer "NETBR1_1_L01_P001" (solid, pour order 1): 35.15,54.125 31.575,54.125 25.125,47.675 25.125,45.475 26.075,44.525 27.85,44.525 28.425,45.1 28.425,46.9 32.075,50.55 35.65,50.55 37,51.9 37,53.075 35.95,54.125
NetBR1_2 on Top Layer "NETBR1_2_L01_P000" (solid, pour order 0): 23.425,54.2 21.475,52.25 21.475,48.775 19.45,46.75 19.45,45 20.5,43.95 22.225,43.95 23.325,45.05 23.325,48.275 26.525,51.475 26.525,53.25 25.575,54.2 25.55,54.2
GND_S on Bottom Layer "GND_S_L04_P027" (solid, remove dead copper, pour order 27): 99,28.3 113.4,28.3 113.4,-8.3 111.9,-9.8 88.6,-9.8 85.8,-7 85.8,13.4 87.5,15.1 95.7,15.1 96.8,16.2 96.8,27.1 98,28.3 99.3,28.3
GND on Bottom Layer "GND_L04_P026" (solid, pour order 26): 2.2,72.8 1.5,72.1 1.5,21.1 1.8,20.8 29,20.8 29,0.3 28.9,0.2 8.7,0.2 7.7,-0.8 7.7,-8.1 9,-9.4 75.9,-9.4 78,-7.3 78,9 87.5,18.5 95.2,18.5 95.2,54.9 93.8,56.3 47.8,56.3 46.4,54.9 46.4,48.2 5.6,48.2 5.4,48 5.4,72.7 4.9,73.2 2.7,73.2
"DC 3.3V" on POWER (split plane): 97.49,29.459 97.482,29.449 97.419,29.347 97.373,29.236 97.345,29.12 97.336,29 97.336,15.264 88.9,15.264 88.78,15.255 88.664,15.227 88.553,15.181 88.451,15.118 88.36,15.04 88.282,14.949 88.219,14.847 88.173,14.736 88.145,14.62 88.136,14.5 88.136,-9.49 0.51,-9.49 0.51,71.2 6.7,71.2 6.7,48.6 44.7,48.6 44.7,71.2 97.49,71.2
"DC 12V" on POWER (split plane): 74.09,58.849 74.09,55.97 74.099,55.87 74.128,55.775 74.176,55.686 74.239,55.609 75.509,54.339 75.586,54.276 75.675,54.228 75.77,54.199 75.87,54.19 87.48,54.19 87.58,54.199 87.675,54.228 87.764,54.276 87.841,54.339 90.051,56.549 90.114,56.626 90.162,56.715 90.191,56.81 90.2,56.91 90.2,59.059 91.161,60.02 93.579,60.02 94.14,59.459 94.14,56.651 88.609,51.12 69.13,51.12 69.03,51.111 68.935,51.082 68.846,51.034 68.769,50.971 60.099,42.3 27.01,42.3 26.91,42.291 26.815,42.262 26.726,42.214 26.649,42.151 24.079,39.581 24.016,39.504 23.968,39.415 23.939,39.32 23.93,39.22 23.93,34.641 22.559,33.27 16.741,33.27 12.41,37.601 12.41,42.829 13.441,43.86 56.77,43.86 56.87,43.869 56.965,43.898 57.054,43.946 57.131,44.009 69.751,56.629 69.814,56.706 69.862,56.795 69.891,56.89 69.9,56.99 69.9,58.799 71.151,60.05 72.889,60.05
"DC 3.3V_S" on POWER (split plane): 114.49,-9.49 89.664,-9.49 89.664,13.736 98.1,13.736 98.22,13.745 98.336,13.773 98.447,13.819 98.549,13.882 98.64,13.96 98.718,14.051 98.781,14.153 98.827,14.264 98.855,14.38 98.864,14.5 98.864,28.49 114.49,28.49
"DC 5V" on POWER (split plane): 35.527,34.531 35.527,24.1 35.535,24.025 35.556,23.953 35.592,23.887 35.639,23.829 35.677,23.791 35.677,18.05 35.677,12.03 35.685,11.955 35.706,11.883 35.742,11.817 35.789,11.759 38.719,8.829 38.777,8.782 38.843,8.746 38.915,8.725 38.99,8.717 46.821,8.717 48.879,6.659 48.937,6.612 49.003,6.576 49.075,6.555 49.15,6.547 60.261,6.547 63.787,3.021 63.787,2.249 62.481,0.943 61.069,0.943 59.941,2.071 59.883,2.118 59.817,2.154 59.745,2.175 59.67,2.183 58.819,2.183 55.471,5.531 55.413,5.578 55.347,5.614 55.275,5.635 55.2,5.643 51.89,5.643 51.815,5.635 51.743,5.614 51.677,5.578 51.619,5.531 48.841,2.753 46.379,2.753 44.543,4.589 44.543,4.851 46.351,6.659 46.398,6.717 46.434,6.783 46.455,6.855 46.463,6.93 46.463,7.53 46.455,7.605 46.434,7.677 46.398,7.743 46.351,7.801 46.011,8.141 45.953,8.188 45.887,8.224 45.815,8.245 45.74,8.253 37.519,8.253 33.863,11.909 33.863,20.13 33.855,20.205 33.834,20.277 33.798,20.343 33.751,20.401 31.931,22.221 30.513,23.639 30.513,27.14 30.513,34.061 31.301,34.849 31.323,34.877 31.351,34.899 32.229,35.777 34.281,35.777
GND on GROUND (split plane): 97.49,29.566 97.46,29.54 97.382,29.449 97.319,29.347 97.273,29.236 97.245,29.12 97.236,29 97.236,16.5 97.236,14.564 87.6,14.564 87.48,14.555 87.364,14.527 87.253,14.481 87.151,14.418 87.06,14.34 86.982,14.249 86.919,14.147 86.873,14.036 86.845,13.92 86.836,13.8 86.836,-9.49 4.7,-9.49 4.7,0.4 10.4,0.4 10.4,20.9 0.51,20.9 0.51,71.196 6.857,71.196 6.857,48.596 44.857,48.596 44.857,71.196 97.49,71.196
GND_S on GROUND (split plane): 114.49,-9.49 88.364,-9.49 88.364,13.036 98,13.036 98.12,13.045 98.236,13.073 98.347,13.119 98.449,13.182 98.54,13.26 98.618,13.351 98.681,13.453 98.727,13.564 98.755,13.68 98.764,13.8 98.764,16.5 98.764,28.49 114.49,28.49

## Keep-outs
Top Layer:
  region: 70.5,-0.7 71.5,-0.7 71.5,-1.7 70.5,-1.7
  lines w0.254: 72.5,-1.271 cw(c71.001,-1.239) 72.5,-1.2
Keep-Out Layer:
  lines w0.1: 0,-10 115,-10 115,29 98,29 98,90 0,90 0,0 0,-10
  lines w0.254: 0,-10 0,90 98,90 98,29 115,29 115,-10 0,-10

## Other copper
Top Layer:
  region net "DC 5V": 15.91,25.3 17.7,25.3 17.72,22.92 17.28,22.48 15.91,22.48
  region net "DC 3.3V": 79.32,45.23 79.32,44.32 79.57,44.07 86.41,44.07 86.65,44.31 86.65,45.26 86.33,45.58 86.31,45.56 79.58,45.56
  region net "DC 3.3V": 57.02,23.55 57.01,23.54 57.01,21.01 58.94,21.01 58.94,22.26 58.76,22.44 57.91,22.55 57.91,23.57 57.83,23.65 57.11,23.65
  region net "DC 3.3V": 83.01,31.44 83.01,30.69 83.32,30.38 91.62,30.38 91.72,30.48 91.72,31.25 91.53,31.44
  region net "DC 3.3V": 50.86,26.85 50.86,26.36 50.89,26.33 50.91,26.35 54.07,26.35 54.44,25.98 55.67,25.98 59.62,25.98 59.62,27.14 55.73,27.14 55.62,27.1 55.5,27.05 54.26,27.05 54.06,26.85 50.87,26.85
  region net "DC 5V": 46.73,9.23 46.73,7.15 44.78,7.15 44.78,3.54 50.04,3.54 51.22,4.72 51.22,8.85 50.51,9.56 47.41,9.56
  region net "DC 12V": 13.09,41.94 13.09,37.43 15.05,35.47 18.03,35.47 18.03,34.99 18.8,34.22 22.51,34.22 22.51,35.75 19.26,35.75 19.26,40.53 17.44,42.35 14.98,42.35 13.62,42.35
  region net "DC 3.3V": 37.6,31.18 37.6,25.5 38.03,25.07 38.6,25.07 38.91,25.38 38.91,26.29 39.27,26.65 42.28,26.65 42.28,29.42 41.06,29.42 41.06,31.34 37.83,31.34
  region net NetC1_2: 60.31,22.89 60.31,22.2 60.44,22.07 61.95,22.07 62,22.02 62,21.26 64.64,21.26 64.64,22.58 61.98,22.58 61.97,22.59 61.43,22.59 61.31,22.71 61.31,22.95 60.33,22.95 60.32,22.96
  region net "DC 3.3V": 10.575,2.25 10.575,0.15 10.5,0.075 10.325,0.075 10.325,-7.67 11.08,-7.67 11.425,-7.67 11.425,-2.75 11.55,-2.625 13.05,-2.625 13.05,-1.7 12.925,-1.575 11.4,-1.575 11.3,-1.475 11.3,0.475 11.35,0.525 11.59,0.525 11.59,2.325 10.625,2.325
  region net Wİ-Fİ_TXD: 14.175,6.75 18.15,6.75 18.15,7.85 18.1,7.9 14.175,7.9
  region net Wİ-Fİ_RXD: 14.2,6.5 14.2,5.325 14.225,5.35 18.15,5.35 18.15,6.475 18.125,6.5
  region net NRST: 66.075,28.925 66.075,28.075 66.175,27.975 68.95,27.975 68.95,29 68.825,29.125 66.2,29.125
  region net Net*2_B: 13.575,-1.725 13.575,-2.65 13.35,-2.875 11.925,-2.875 11.925,-3.75 12.15,-3.975 13.1,-3.975 13.275,-3.8 13.275,-3.55 13.587,-3.238 13.65,-3.3 14.5,-3.3 14.6,-3.2 14.6,-1.7 14.425,-1.525 13.7,-1.525
  region net EN_OUT: 11.825,2.225 11.825,-0.95 12.125,-1.25 15.5,-1.25 15.5,0.125 15.3,0.325 12.875,0.325 12.875,2.225 12.75,2.35 11.95,2.35
  region net NetD4_2: 64.225,-3.875 64.225,-5.55 64.075,-5.7 60.925,-5.7 60.925,-4.075 61.275,-3.725 61.65,-3.725 61.65,-1.525 61.725,-1.45 62.425,-1.45 62.6,-1.625 62.6,-3.475 63,-3.875
  region net NetC21_2: 30.65,32.025 30.65,31.25 30.4,31 28.15,31 27.425,31 26.075,29.65 26.075,28.875 25.9,28.7 24.95,28.7 24.825,28.825 24.825,30.25 24.85,30.25 25.225,30.625 26.025,30.625 27.425,32.025
  region net NetU3_1: 43.55,26.55 43.65,26.45 45.325,26.45 45.525,26.25 48.05,26.25 48.05,26.95 47.95,27.05 45,27.05 45,27.125 44.85,27.275 43.55,27.275
  region net NetU3_2: 43.5,26.1 43.5,25.425 45.35,25.425 45.35,25.175 45.575,24.95 48.075,24.95 48.225,25.1 48.225,25.7 47.925,26 45.15,26 44.95,26.2 43.575,26.2
  region net NetC4_1: 48.125,23.625 40.869,23.625 38.317,19.3 36.5,19.3 36.5,21.215 40.194,25.15 44.6,25.15 45.225,24.525 48.125,24.525
  region net Net*3_B: 76,52.31 76,49.95 76.475,49.475 79.225,49.475 79.225,50.35 78.925,50.65 77.15,50.65 77.15,52.25 76.75,52.65 76.425,52.65
  region net Net*3_C: 78.3,59.625 77.95,59.275 77.95,54.95 77.525,54.525 77.175,54.525 76.95,54.3 76.95,52.875 77.2,52.625 78.1,52.625 78.1,54.15 78.725,54.775 79.55,54.775 79.55,55.875 81.375,57.7 81.375,59.125 80.525,59.975 78.675,59.975
  region net Net*4_C: 90.725,57.2 89.75,56.225 89.05,56.225 88.55,55.725 88.55,54.775 87.7,53.925 87.7,53.025 88.15,52.575 88.625,52.575 89.05,53 89.05,54.375 89.525,54.85 89.9,54.85 90.25,55.2 90.25,55.85 91.3,56.9 93.475,56.9 93.975,57.4 93.975,59.25 93.375,59.85 90.85,59.85 90.725,59.725
  region net Net*4_B: 86.925,52.175 86.925,49.6 87.3,49.225 89.725,49.225 90,49.5 90,50.225 89.65,50.575 87.95,50.575 87.95,52.1 87.65,52.475 87.175,52.475
  region net Net*1_B: 13.9,29.05 13.9,26.35 14.325,25.925 15.475,25.925 15.475,27.125 14.95,27.65 14.95,29.075
Bottom Layer:
  region net "DC 3.3V_S": 109.2,17 109.2,10.5 108.8,10.1 108.8,8.8 109.1,8.5 109.7,8.5 110,8.8 110,11.1 110.3,11.5 110.3,11.6 110.3,17.1 110,17.4 109.4,17.4
GROUND (plane layer: these items are gaps in the copper):
  rectangle: 0.357,71.196 97.957,89.696
  rectangle: 6.857,48.596 44.857,71.596
  rectangle: 0.5,-9.6 4.7,0.8
  rectangle: 0.5,0.4 10.4,20.9
  lines w1.524: 87.6,-9.9 87.6,13.8 98,13.8 98,16.5 98,29
POWER (plane layer: these items are gaps in the copper):
  rectangle: 0.2,71.2 97.8,89.7
  rectangle: 6.7,48.6 44.7,71.6
  lines w0.762: 5.59,34.08 5.59,36.107 ; 30.13,23.48 30.13,27.14 30.13,34.22 31.03,35.12 31.03,35.17 31.08,35.17 32.07,36.16 34.44,36.16 35.91,34.69 35.91,24.1 36.06,23.95 36.06,18.05 36.06,12.03 38.99,9.1 46.98,9.1 49.15,6.93 60.42,6.93 64.17,3.18 64.17,2.09 62.64,0.56 60.91,0.56 59.67,1.8 58.66,1.8 55.2,5.26 51.89,5.26 49,2.37 46.22,2.37 44.16,4.43 44.16,5.01 46.08,6.93 46.08,7.53 45.74,7.87 37.36,7.87 33.48,11.75 33.48,20.13 31.66,21.95 30.13,23.48
  lines w1.016: 11.9,37.39 16.53,32.76 22.77,32.76 24.44,34.43 24.44,39.22 27.01,41.79 60.31,41.79 69.13,50.61 88.82,50.61 94.65,56.44 94.65,59.67 93.79,60.53 90.95,60.53 89.69,59.27 89.69,56.91 87.48,54.7 75.87,54.7 74.6,55.97 74.6,59.06 73.1,60.56 70.94,60.56 69.39,59.01 69.39,56.99 56.77,44.37 13.23,44.37 11.9,43.04 11.9,37.39
  lines w1.524: 88.9,-9.6 88.9,14.5 98.1,14.5 98.1,29

## Silkscreen, mask and mechanical layers (free items; w line width, h text height)
Top Overlay:
  lines w0.1: 88.8,28.4 88.8,27.3 90.1,27.3 ; 82.4,28.7 82.4,21.7 82.9,21.7 ; 82.4,28.7 85.8,28.7 85.8,22.6 82.4,22.6 82.4,28.7 ; 82.9,21.7 82.7,21.9 82.7,21.5 82.9,21.7 ; 90.1,27.3 90.1,26.9 90.5,27.3 90.1,27.7 90.1,27.3 ; 83.3,17.4 85.7,17.4 85.7,22.1 83.3,22.1 83.3,21.6 83.3,17.4 ; 91.5,25.6 97.7,25.6 97.7,28.4 91.5,28.4 91.5,28 91.5,25.6
Top Solder:
  rectangle: 70.6,-1.6 71.5,-0.8
  region: 71,-1.1 71,0.9 73,-1.1 73,-3.1 69,-3.1 69,0.9 73,0.9 73,-1.1
  lines w0.254: 70.5,-1.6 71.5,-1.6 71.5,-0.7 70.5,-0.7 70.5,-1.6

## Text inside footprints (layer, text, board x,y; h text height)
BR1: Top Designator "DENGİNATOR" at 24.196,42.146 h1 r180
C1: Bottom 3D Body "DENGİNATOR" at 60.6,23.2 h0.24 r270
C2: Bottom 3D Body "DENGİNATOR" at 68.8,23.4 h0.24 r90
C3: Bottom 3D Body "DENGİNATOR" at 68.4,27.8 h0.24 r90
C5: Bottom 3D Body "DENGİNATOR" at 55.1,25.8 h0.24 r90
C6: Top Designator "DESİGNER" at 56.489,25.46 h0.5 r90
C7: Top Designator "DESİGNER" at 43.95,23.4 h0.5 r90
C8: Top Designator "DESİGNER" at 83.65,29.85 h0.5 r90
C9: Top Designator "DESİGNER" at 85.25,29.85 h0.5 r90
C10: Bottom 3D Body "DENGİNATOR" at 87,30.1 h0.24 r90
C11: Bottom 3D Body "DENGİNATOR" at 88.4,30.1 h0.24 r90
C12: Bottom 3D Body "DENGİNATOR" at 89.8,30.1 h0.24 r90
C13: Bottom 3D Body "DENGİNATOR" at 91.258,30.127 h0.24 r90
C14: Top Designator "DESİGNER" at 9.644,-0.55 h0.5
C15: Top Designator "DESİGNER" at 9.644,-2.2 h0.5
C16: Bottom 3D Body "DENGİNATOR" at 10.1,-4 h0.24
C17: Bottom 3D Body "DENGİNATOR" at 41.8,30.8 h0.24 r180
C18: Bottom 3D Body "DENGİNATOR" at 16.2,25.6 h0.24 r270
C21: Bottom 3D Body "DENGİNATOR" at 24.6,28.1 h0.24
C22: Top Designator "DESİGNER" at 20.55,33.95 h0.5 r90
C23: Bottom 3D Body "DENGİNATOR" at 19.2,34.3 h0.24 r90
C24: Top Designator "DESİGNER" at 35.045,41.736 h1.5 r180
C25: Top Designator "DESİGNER" at 80.05,43.55 h0.5 r90
C26: Top Designator "DESİGNER" at 81.75,43.55 h0.5 r90
C27: Top Designator "DESİGNER" at 83.55,43.55 h0.5 r90
C28: Top Designator "DESİGNER" at 34.4,27.71 h0.5 r180
C29: Bottom 3D Body "DENGİNATOR" at 34.2,26.3 h0.24 r180
C30: Top Designator "DESİGNER" at 37.05,27.81 h0.5
C31: Top Designator "DESİGNER" at 37.485,25.511 h0.5
C32: Top 3D Body "DENGİNATOR" at 108.75,-3.475 h0.24 r180
C33: Top 3D Body "DENGİNATOR" at 108.95,13.744 h0.24 r180
C34: Bottom Designator "DESİGNER" at 108.706,15.025 h0.5 r180
C35: Bottom Designator "DESİGNER" at 106.25,-2.075 h1 r90
C36: Top 3D Body "DENGİNATOR" at 106.925,12.725 h0.24 r90
C37: Top 3D Body "DENGİNATOR" at 103.299,-2.585 h0.24 r90
C38: Top Designator "DESİGNER" at 109.45,9.182 h0.5
C39: Top Designator "DESİGNER" at 109.45,7.55 h0.5
C40: Top Designator "DESİGNER" at 109.45,5.75 h0.5
C41: Bottom Designator "DESİGNER" at 101.35,-2.175 h1 r90
C42: Top 3D Body "DENGİNATOR" at 99.15,0.425 h0.24 r270
C43: Top 3D Body "DENGİNATOR" at 103.125,-7.1 h0.24 r90
C44: Top 3D Body "DENGİNATOR" at 95.975,-3.075 h0.24 r180
C45: Bottom Designator "DESİGNER" at 93.925,4.375 h0.5 r180
C46: Bottom Designator "DESİGNER" at 94.425,7.675 h0.5
F1: Top Designator "Designator" at 464.067,79.4 h1 r90
F2: Top Designator "Designator" at 9,50.933 h1
L1: Top Designator "DESİGNER" at 28.9,28 h0.5 r90
LED1: Bottom Designator "DESİGNER" at 102.3,13.575 h0.5 r90
LED2: Top Designator "DESİGNER" at 105.475,11.65 h0.5 r180
R1: Bottom 3D Body "DENGİNATOR" at 84.275,23.35 h0.24
R2: Bottom 3D Body "DENGİNATOR" at 84.275,25.25 h0.24
R3: Bottom 3D Body "DENGİNATOR" at 37.3,-1.8 h0.24 r180
R4: Bottom 3D Body "DENGİNATOR" at 34.2,-0.4 h0.24
R5: Bottom 3D Body "DENGİNATOR" at 66.874,27.781 h0.24 r90
R6: Bottom 3D Body "DENGİNATOR" at 74.925,17.625 h0.24
R7: Bottom 3D Body "DENGİNATOR" at 84.25,27.5 h0.24
R8: Bottom 3D Body "DENGİNATOR" at 56.725,22.875 h0.24
R9: Bottom 3D Body "DENGİNATOR" at 56.725,21.3 h0.24
R10: Bottom 3D Body "DENGİNATOR" at 52.1,13.8 h0.24 r90
R11: Bottom 3D Body "DENGİNATOR" at 12.5,-1.2 h0.24 r90
R12: Bottom 3D Body "DENGİNATOR" at 15,25.8 h0.24 r90
R13: Bottom 3D Body "DENGİNATOR" at 12.8,-4.1 h0.24 r90
R15: Bottom 3D Body "DENGİNATOR" at 77,49.4 h0.24 r90
R16: Bottom 3D Body "DENGİNATOR" at 89.4,49.2 h0.24 r90
R17: Bottom 3D Body "DENGİNATOR" at 78.6,49.4 h0.24 r90
R18: Bottom 3D Body "DENGİNATOR" at 87.9,49.2 h0.24 r90
R19: Top 3D Body "DENGİNATOR" at 108.75,-1.775 h0.24 r180
R20: Top 3D Body "DENGİNATOR" at 108.95,16.775 h0.24 r180
R21: Top 3D Body "DENGİNATOR" at 108.95,12.275 h0.24 r180
R22: Top 3D Body "DENGİNATOR" at 107.15,-5.275 h0.24 r180
R23: Top 3D Body "DENGİNATOR" at 104.65,-2.575 h0.24 r90
R24: Top 3D Body "DENGİNATOR" at 105.524,12.725 h0.24 r90
R25: Top 3D Body "DENGİNATOR" at 104.089,12.725 h0.24 r90
R26: Top 3D Body "DENGİNATOR" at 99.35,-2.875 h0.24 r270
R27: Top 3D Body "DENGİNATOR" at 104.55,-7.05 h0.24 r90
R28: Bottom 3D Body "DENGİNATOR" at 105.325,13.17 h0.24
R29: Top 3D Body "DENGİNATOR" at 94.275,2.925 h0.24 r180
R30: Top 3D Body "DENGİNATOR" at 94.075,5.825 h0.24
R31: Top 3D Body "DENGİNATOR" at 92.575,-3.475 h0.24
R32: Bottom 3D Body "DENGİNATOR" at 105.025,6 h0.24 r180
R33: Bottom 3D Body "DENGİNATOR" at 50.4,17.3 h0.24 r90
R34: Bottom 3D Body "DENGİNATOR" at 52.1,17.3 h0.24 r90
R35: Bottom 3D Body "DENGİNATOR" at 50.5,13.775 h0.24 r90
RL1: Top Designator "DENGİNATOR" at 75.936,68.204 h1 r90
RL2: Top Designator "DENGİNATOR" at 88.556,68.164 h1 r90
S1: Top Overlay "G" at 104.554,24.931 h1 r270; Top Overlay "S" at 105.104,22.131 h1 r270; Top Overlay "D" at 103.254,22.081 h1 r270; Top Designator "DESİGNER" at 103.604,22.431 h1 r270
SW1: Top Designator "DESİGNER" at 33.6,-5.9 h1
T1: Bottom Overlay "İNPUT" at 38.9,47.4 h1 r180; Bottom Overlay "OUTPUT" at 37.8,77.9 h1 r180
U3: Top Designator "DENGİNATOR" at 48.154,22.254 h1
U5: Top Designator "Designator" at 57.5,17.333 h1
U6: Top Designator "DENGİNATOR" at 27.946,35.946 h1 r180
U7: Mechanical 13 "PCB Edge" at 70.534,-8.515 h0.81
U9: Bottom Designator "DESİGNER" at 107.15,5.525 h1 r270
U10: Bottom Designator "DESİGNER" at 94.725,-1.53 h1 r270
X1: Top Designator "DESİGNER" at 65.5,22.5 h1 r180